# Altium PCB MS-002.29T003 执行台车LED灯环PCB图 V1.0.PcbDoc
Units mm, origin at the board's own origin, x right, y up, seen from the top; angles counter-clockwise.
Board outline 86.48 x 86.48 mm, 2 copper layers (Top Layer, Bottom Layer); 34 components, 19 nets, 76 pads, 24 vias.
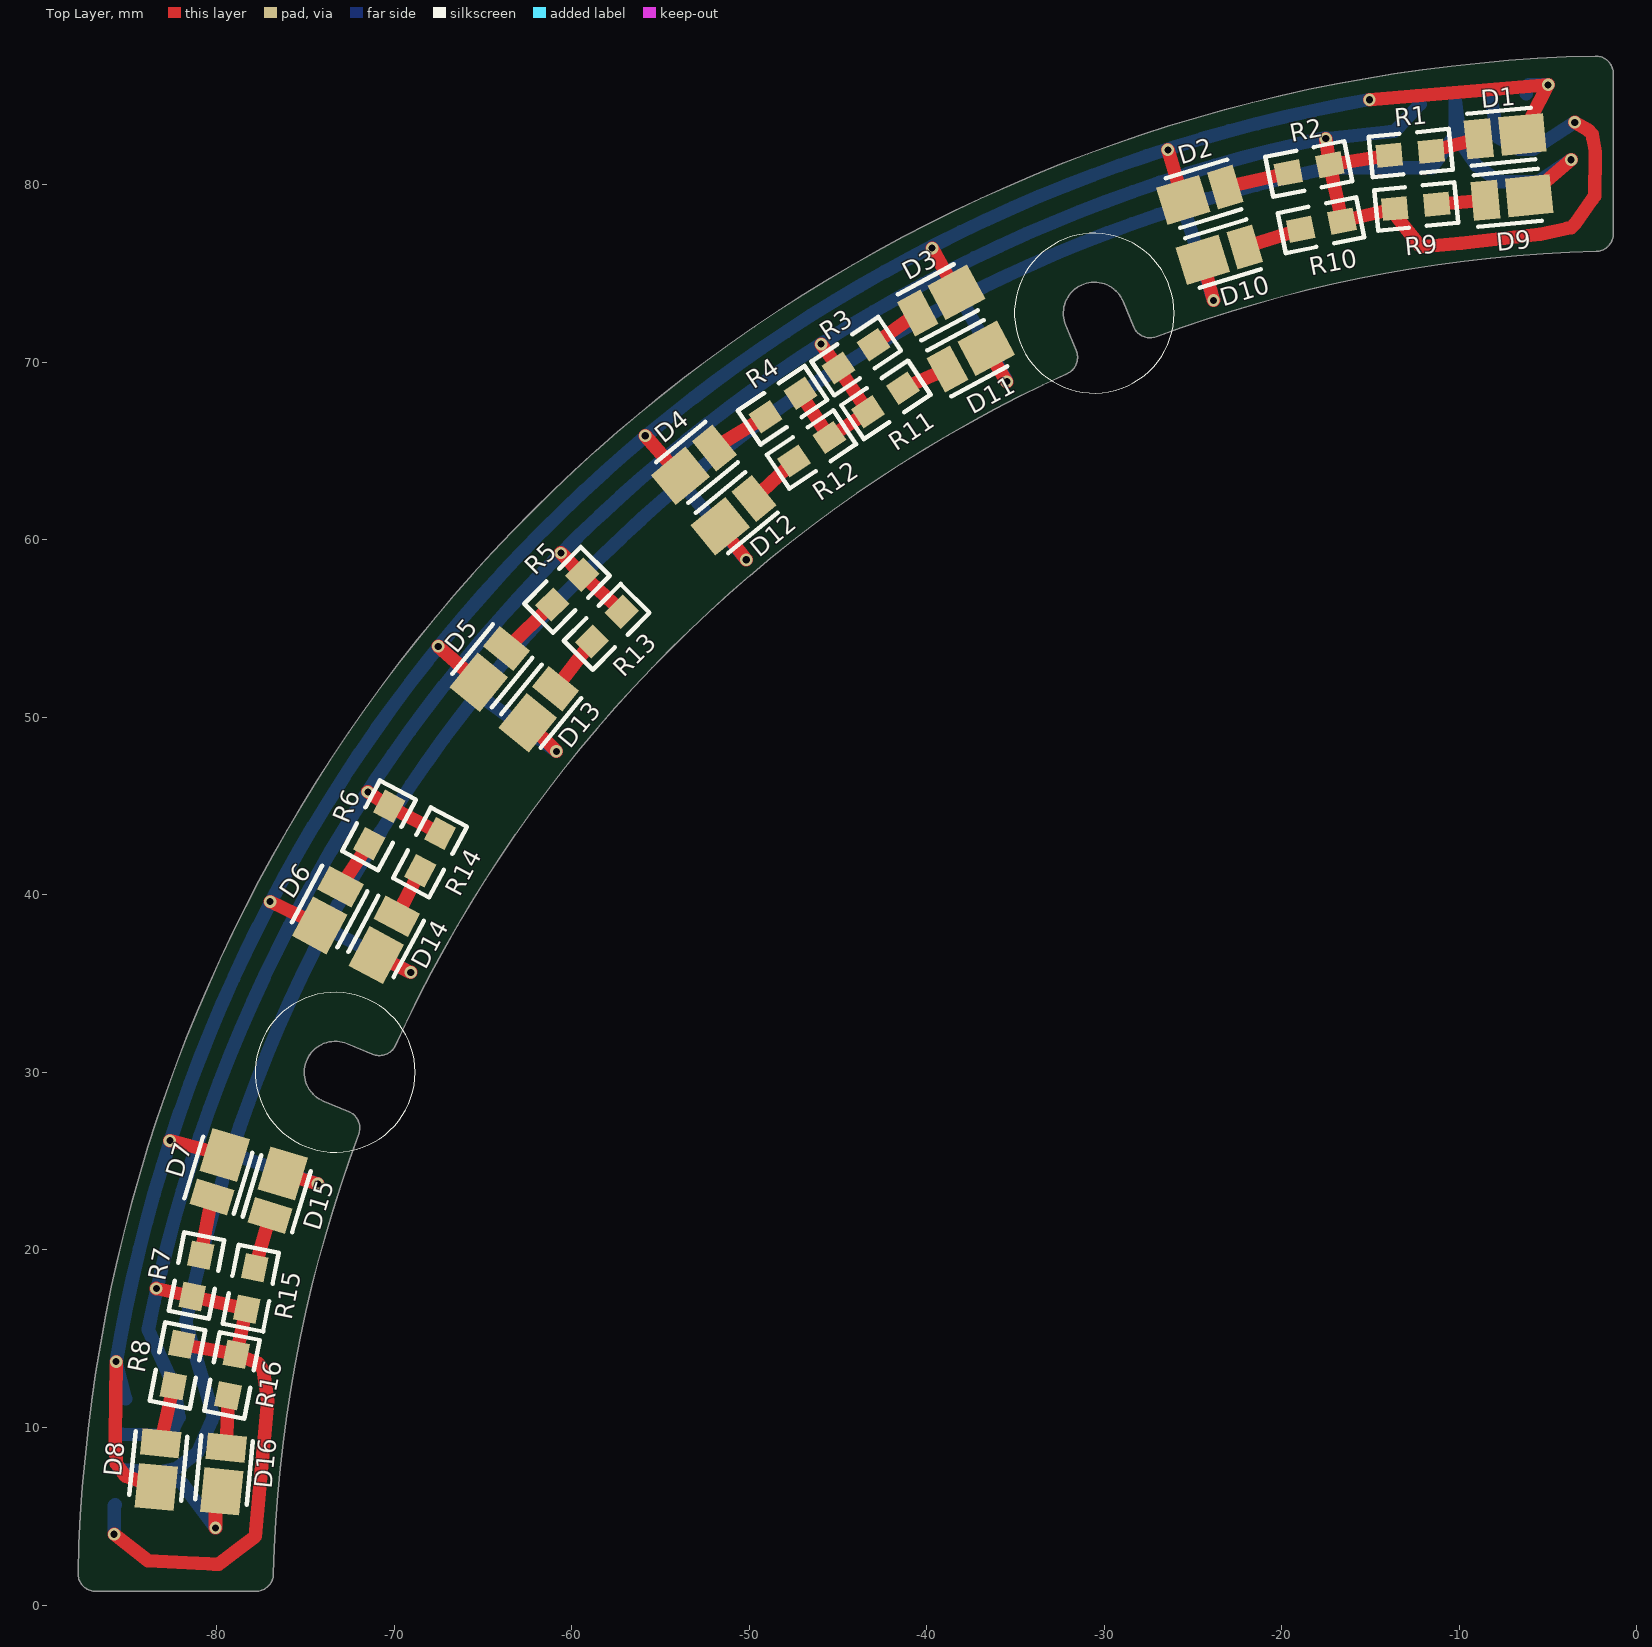
[diagram p0: Top Layer view]
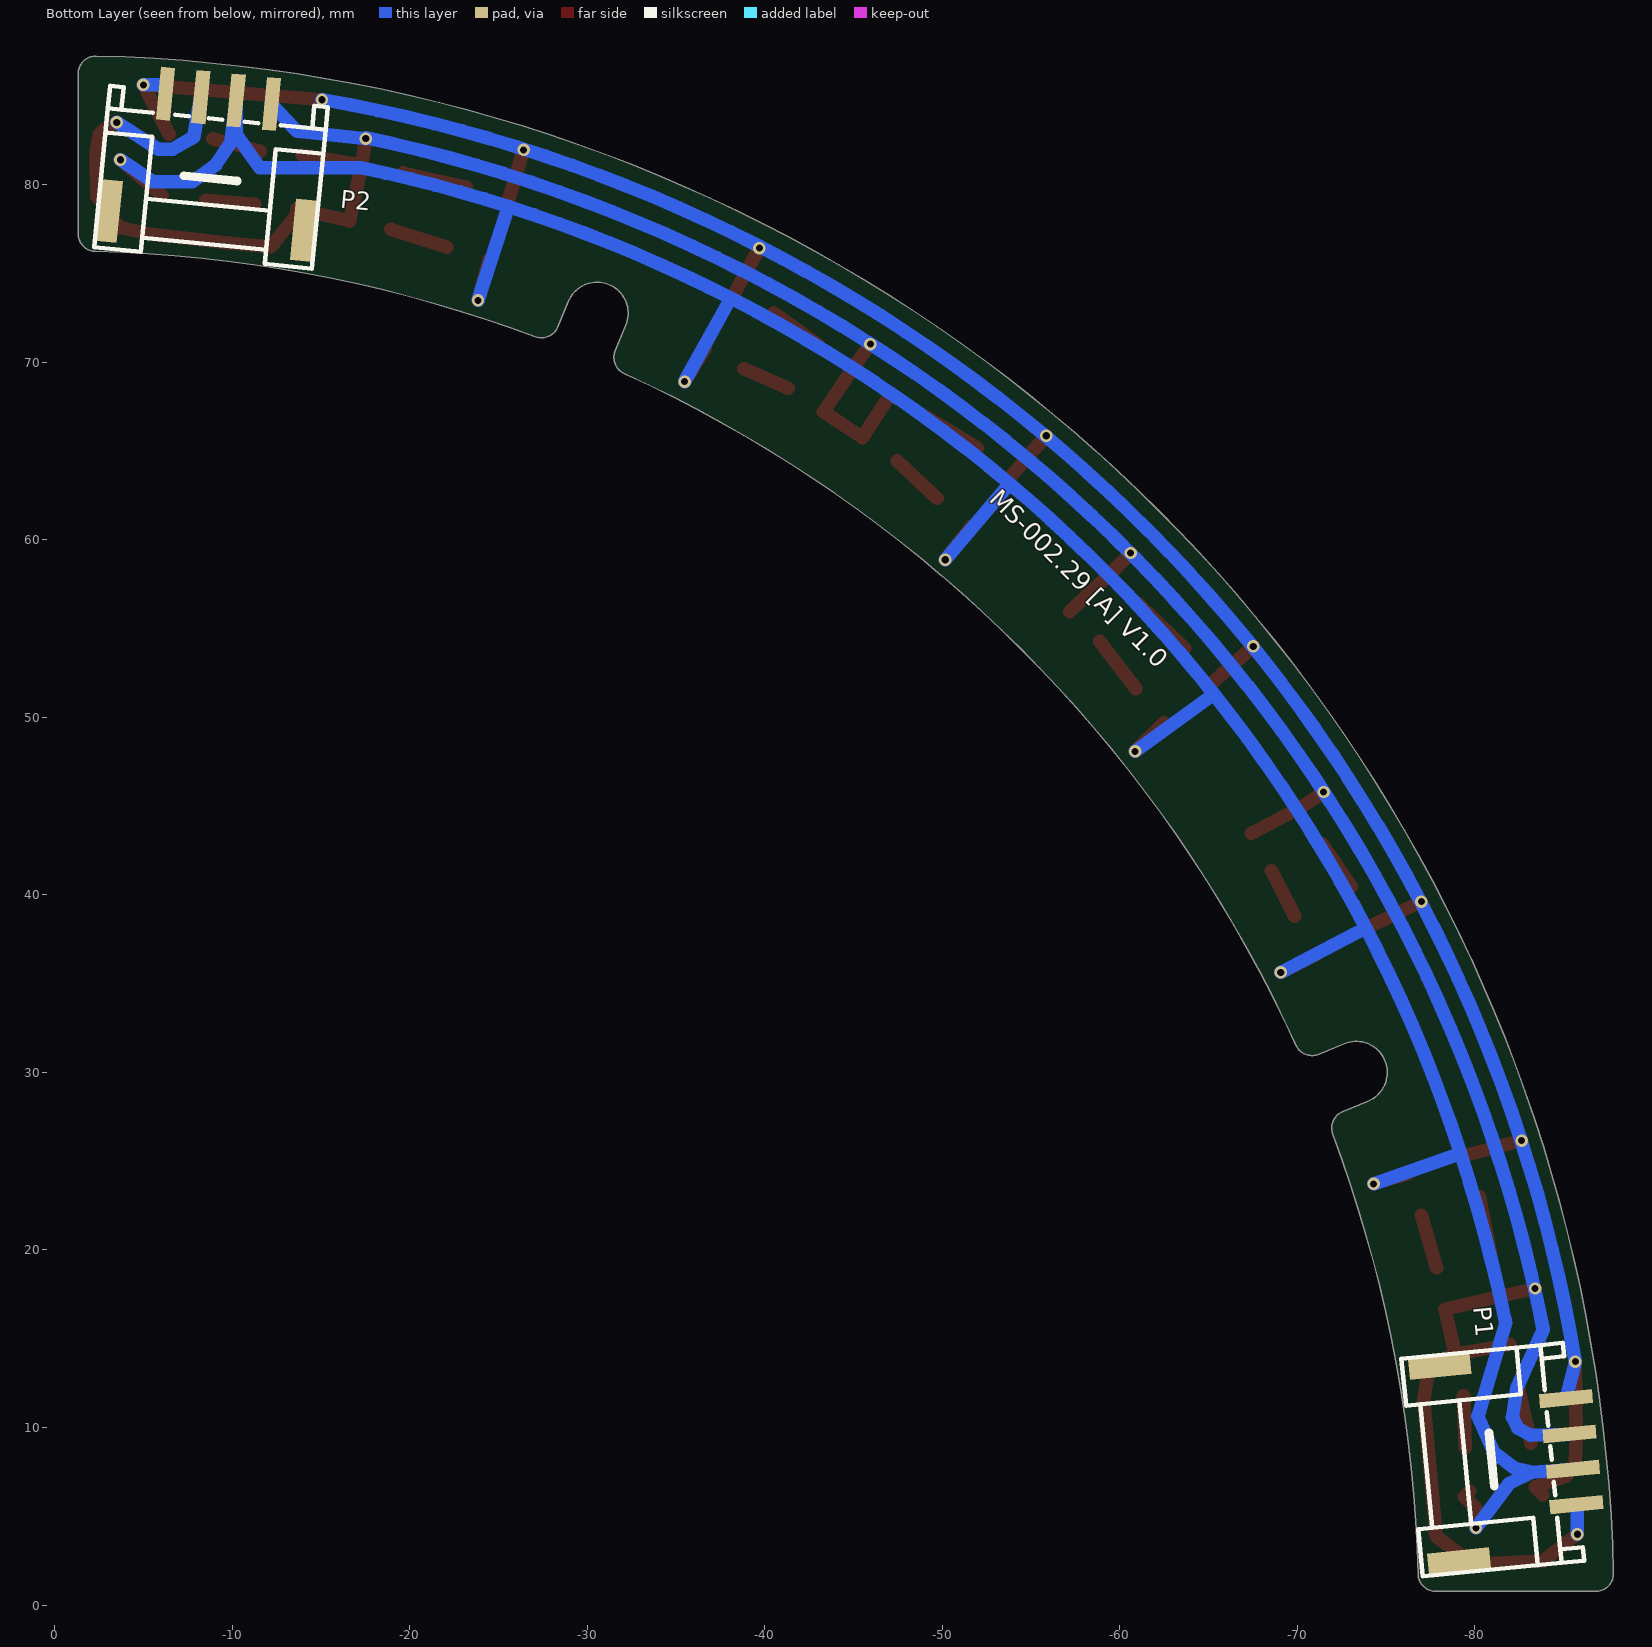
[diagram p1: Bottom Layer view, seen from below]
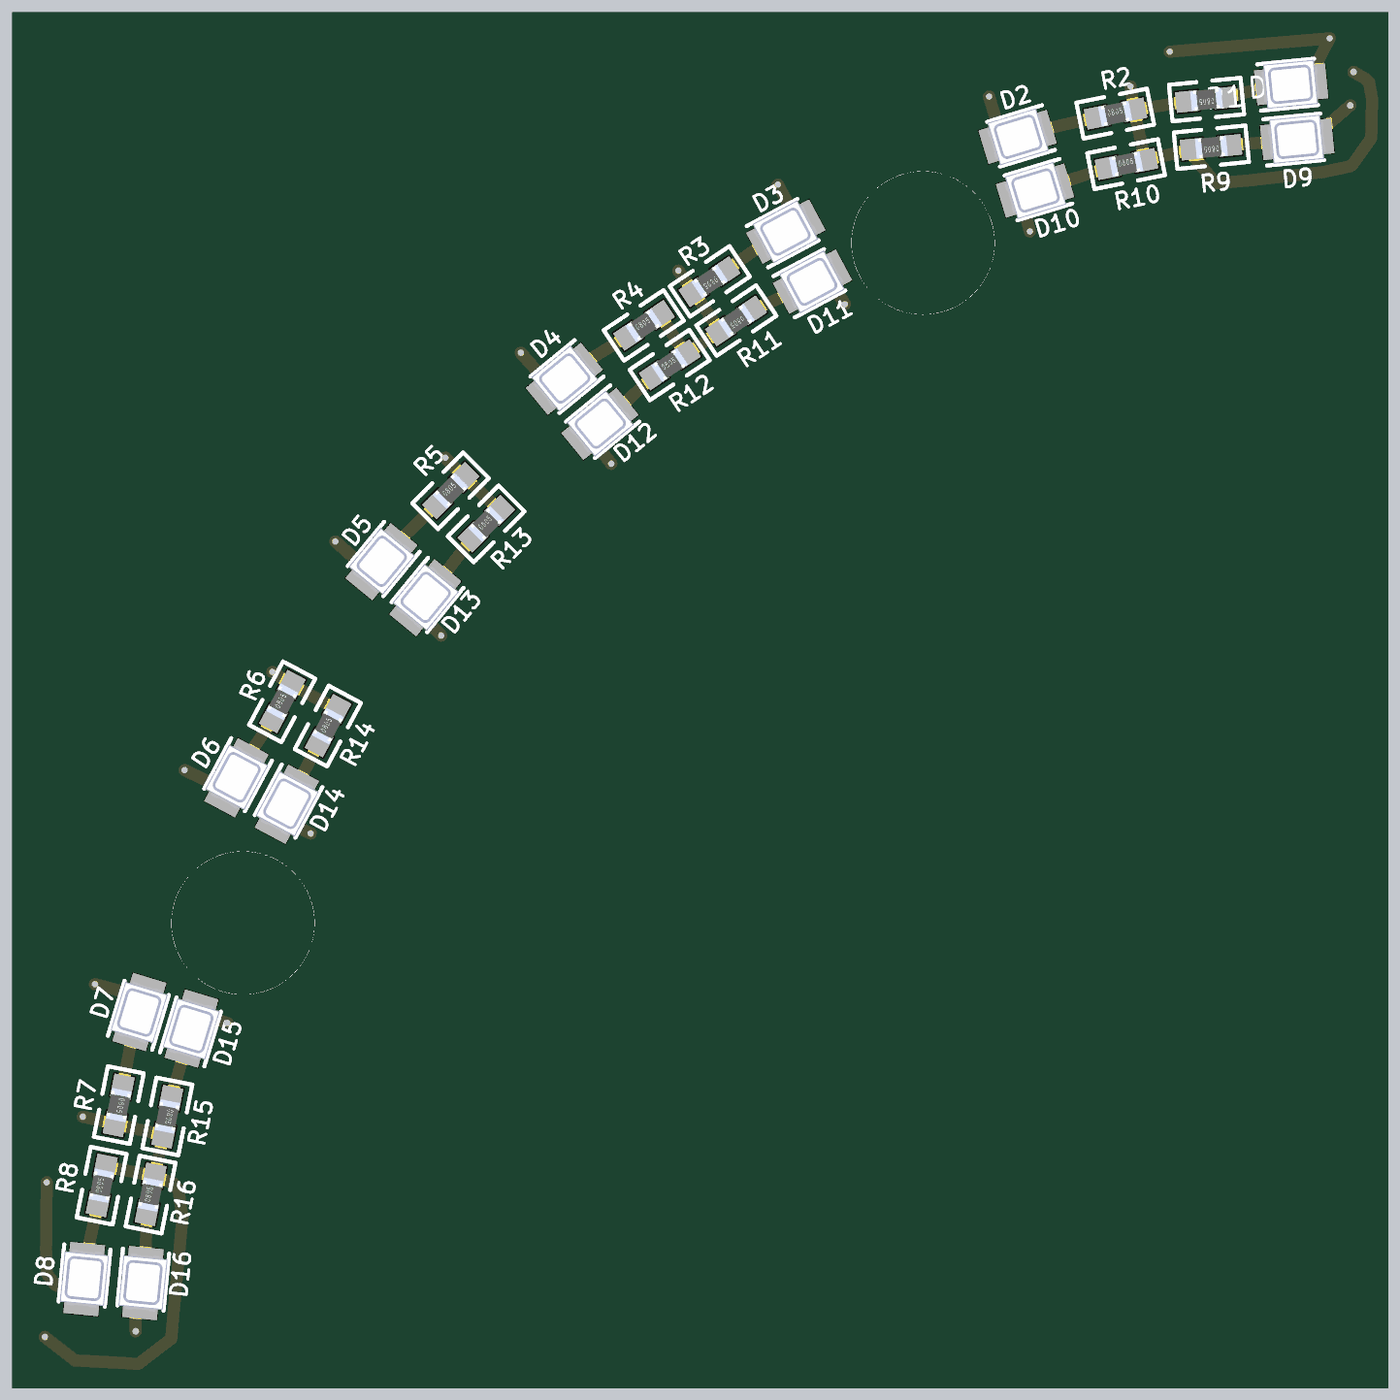
[diagram p2: 3D render of the assembled board from above, using the file's embedded part models]

## Layer stack, top to bottom
Top Solder: solder mask 0.0102, Solder Resist, Dk 3.5
Top Layer: signal copper 0.0356
Dielectric 1: dielectric 0.32, FR-4, Dk 4.8
Bottom Layer: signal copper 0.0356
Bottom Solder: solder mask 0.0102, Solder Resist, Dk 3.5

## Board outline
-86.803,0.77 -77.8,0.77 ccw(c-77.8,1.77) -76.801,1.744 cw(c-0.326,-0.23) -71.997,26.519 ccw(c-72.934,26.868) -72.551,27.792 -73.982,28.385 cw(c-73.313,30.002) -72.643,31.619 -71.212,31.026 ccw(c-70.829,31.95) -69.92,31.534 cw(c-0.326,-0.23) -32.091,69.363 ccw(c-32.506,70.273) -31.582,70.656 -32.175,72.087 cw(c-30.558,72.756) -28.941,73.426 -28.349,71.995 ccw(c-27.425,72.378) -27.075,71.441 cw(c-0.326,-0.23) -2.3,76.244 ccw(c-2.326,77.244) -1.326,77.244 -1.326,86.247 ccw(c-2.326,86.247) -2.349,87.246 ccw(c-0.326,-0.23) -87.803,1.793 ccw(c-86.803,1.77)

## Design rules (kind name [scope] priority, off if disabled: settings)
Clearance [All] p1: gap=0.254 ignorepadtopadclearanceinfootprint=FALSE except(0: Arc-Hole Track-Hole SMDPad-Hole THPad-Hole Via-Hole Fill-Hole Poly-Hole Region-Hole Text-Hole)
PolygonConnect [All] p1: connectstyle=Relief reliefconductorwidth=0.254 reliefentries=4 polygonreliefangle="90 Angle" airgapwidth=0.254
RoomDefinition MS-002.29T002 [InComponentClass('MS-002.29T002')] p1: confinementstyle=ConfineOut formatcopy=TRUE lockcomponents=FALSE outline 5.957,5.418 -21.5,5.418 -21.5,-3.193 5.957,-3.193
RoutingVias [All] p1: holewidth=0.711 width=1.27 viastyle="Through Hole" minholewidth=0.711 minwidth=1.27 maxholewidth=0.711 maxwidth=1.27
SilkToSilkClearance [All] p1: silktosilkclearance=0.051
SilkToSolderMaskClearance [IsPad] p1: minsilkscreentomaskgap=0 clearancetoexposedcopper=TRUE
SolderMaskExpansion [All] p1: expansion=0.102 istentingtop=FALSE
Width [All] p1: maxlimit=0.762 minlimit=0.508 preferedwidth=0.762
28 further rules are at their usual default settings.

## Components (designator, comment, footprint, x,y, rotation, side; value= is the part's Value field where it differs from the comment)
D1 "XL-2835UYC-02" LED_2835 -8.91,82.587 r5.62 top
D2 "XL-2835UYC-02" LED_2835 -23.193,79.86 r196.88 top
D3 "XL-2835UYC-02" LED_2835 -40.507,72.775 r28.12 top
D4 "XL-2835UYC-02" LED_2835 -51.964,65.169 r219.38 top
D5 "XL-2835UYC-02" LED_2835 -63.667,53.878 r230.62 top
D6 "XL-2835UYC-02" LED_2835 -73.029,40.456 r241.88 top
D7 "XL-2835UYC-02" LED_2835 -80.264,22.987 r73.12 top
D8 "XL-2835UYC-02" LED_2835 -83.154,9.108 r264.38 top
D9 "XL-2835BGWC-02" LED_2835 -8.529,79.133 r5.62 top
D10 "XL-2835BGWC-02" LED_2835 -22.097,76.485 r196.88 top
D11 "XL-2835BGWC-02" LED_2835 -38.831,69.625 r28.12 top
D12 "XL-2835BGWC-02" LED_2835 -49.727,62.331 r219.38 top
D13 "XL-2835BGWC-02" LED_2835 -60.909,51.613 r230.62 top
D14 "XL-2835BGWC-02" LED_2835 -69.854,38.79 r241.88 top
D15 "XL-2835BGWC-02" LED_2835 -76.987,21.946 r73.12 top
D16 "XL-2835BGWC-02" LED_2835 -79.463,8.859 r264.38 top
P1 "PHB-4" "PHB-4Y - duplicate" -85.717,5.653 r84.38 bottom
P2 "PHB-4" "PHB-4Y - duplicate" -12.219,84.544 r5.62 bottom
R1 "130Ω/0805" 0805_R -11.582,81.89 r185.62 top
R2 "130Ω/0805" 0805_R -19.631,80.663 r11.25 top
R3 "130Ω/0805" 0805_R -43.002,70.993 r213.75 top
R4 "130Ω/0805" 0805_R -49.095,66.928 r33.75 top
R5 "130Ω/0805" 0805_R -61.093,56.357 r45 top
R6 "130Ω/0805" 0805_R -71.403,42.885 r61.88 top
R7 "130Ω/0805" 0805_R -80.899,19.71 r258.75 top
R8 "130Ω/0805" 0805_R -82.43,12.348 r78.75 top
R9 "130Ω/0805" 0805_R -11.278,78.892 r185.62 top
R10 "130Ω/0805" 0805_R -18.945,77.488 r11.25 top
R11 "130Ω/0805" 0805_R -41.329,68.53 r213.75 top
R12 "130Ω/0805" 0805_R -47.469,64.439 r33.75 top
R13 "130Ω/0805" 0805_R -58.858,54.274 r45 top
R14 "130Ω/0805" 0805_R -68.533,41.361 r61.88 top
R15 "130Ω/0805" 0805_R -77.844,18.996 r258.75 top
R16 "130Ω/0805" 0805_R -79.357,11.789 r78.75 top

## Footprints (in the part's own frame and the unit in brackets; to place one, negate y for a bottom-side part, rotate by r counter-clockwise, add the part's x,y. Pads: shape width x height; smd on the part's side, far side on the other; paste and mask are expansions set on the pad)
0805_R [mm]
  rect 1.45x1.3 smd: 1(0,0) 2(2.379,0)
  silkscreen extent -1.09,-1.15 3.43,1.15, body extent 0.17,-0.62 2.17,0.63, height 0.53
LED_2835 [mm]
  rect 1.501x2.2 smd mask+0.05: 1(0,0)
  rect 2.53x2.2 smd mask+0.05: 2(2.47,0)
  silkscreen extent -0.55,-1.46 3.09,1.46, body extent -0.29,-1.4 3.21,1.4, height 0.8
"PHB-4Y - duplicate" [mm]
  rect 1.2x3.5 smd: 0(-2.5,6.9) 0(8.51,6.9)
  rect 0.8x3 smd: 1(0,0) 2(2,0) 3(4,0) 4(6,0)
  silkscreen extent -3.18,-0.13 9.14,9, body extent -2.98,0.49 8.91,8.79, height 5.55

## Part data
D1 D2 D3 D4 D5 D6 D7 D8 D9 D10 D11 D12 D13 D14 D15 D16: library part LED3, "Typical BLUE SiC LED", DatasheetVersion=16-Apr-2002, LatestRevisionDate=17-Dec-2003, LatestRevisionNote="PCB Footprint replaced.", PackageDescription="SM LED; 2 C-Bend Leads; Body 3.5 x 2.8 x 1.9 mm, inc leads (LxWxH typ)", PackageReference=3.5X2.8X1.9, PackageVersion=16-Apr-2002, Published=8-Jun-2000, Publisher="Altium Limited"
P1 P2: library part HEADER4
R1 R2 R3 R4 R5 R6 R7 R8 R9 R10 R11 R12 R13 R14 R15 R16: library part "0805 13KΩ (1302) 1%", "贴片电阻", PACKAGE=0805, SuppliersPartNumber=C17455, ComponentLink1Description=供应商链接, ComponentLink1URL=http://www.szlcsc.com/product/details_18143.html, Supplier=LC

## Via types
v1: diameter 0.7, hole 0.4, Top Layer to Bottom Layer, tented both sides, 24 vias

## Nets (pads, with @x,y where several pads share a name; then routed paths per layer and width w, separated by ;. In a path a pad name is that pad's centre, name@x,y a point inside that pad or via, vN(x,y) a via of type N, cw(c..) or ccw(c..) an arc to the next point about the centre after c; other vN are vias at no path point)
NetD1_1: D1.1 R1.1 | length 2.8
  Top Layer w0.762: R1.1 D1.1
NetD1_2: D1.2 D2.2 D3.2 D4.2 D5.2 D6.2 D7.2 D8.2 P1.4 P2.4 | length 151
  Top Layer w0.762: v1(-85.656,13.708) -85.699,9.484 -85.651,7.968 -85.125,7.262 D8.2 D8.2@-83.82,6.226 ; v1(-82.626,26.162) D7.2 ; v1(-76.987,39.624) D6.2 ; v1(-67.513,54) D5.2 ; v1(-55.855,65.862) D4.2 ; v1(-39.7,76.429) D3.2 ; v1(-26.416,81.966) D2.2 ; v1(-15.062,84.785) -12.388,85.008 v1(-5.004,85.623) D1.2
  Bottom Layer w0.762: P1.4 v1(-85.656,13.708) cw(c-0.103,-0.656) v1@-15.064,84.795 ; P2.4 -6.248,85.459 -6.083,85.623 v1(-5.004,85.623)
NetD2_1: D2.1 R2.1 | length 3.7
  Top Layer w0.762: D2.1 R2.1
NetD3_1: D3.1 R3.1 | length 3.1
  Top Layer w0.762: R3.1 D3.1
NetD4_1: D4.1 R4.1 | length 3.4
  Top Layer w0.762: D4.1 R4.1
NetD5_1: D5.1 R5.1 | length 3.6
  Top Layer w0.762: D5.1 R5.1
NetD6_1: D6.1 R6.1 | length 2.9
  Top Layer w0.762: D6.1 R6.1
NetD7_1: D7.1 R7.1 | length 3.3
  Top Layer w0.762: R7.1 D7.1
NetD8_1: D8.1 R8.1 | length 3.3
  Top Layer w0.762: D8.1 R8.1
NetD9_1: D9.1 R9.1 | length 2.8
  Top Layer w0.762: R9.1 D9.1
NetD9_2: D9.2 D10.2 D11.2 D12.2 D13.2 D14.2 D15.2 D16.2 P1.2 P2.2 | length 185.7
  Top Layer w0.762: v1(-80.061,4.343) -80.061,5.436 -79.4,6.096 D16.2 ; D15.2 v1(-74.295,23.724) ; D14.2 v1(-69.063,35.636) ; D13.2 -60.858,48.086 v1(-60.858,48.082) ; D12.2 v1(-50.165,58.877) ; D11.2 v1(-35.484,68.91) ; D10.2 v1(-23.851,73.482) ; D9.2 v1(-3.708,81.407)
  Bottom Layer w0.762: P1.2 -83.224,7.493 ; v1(-80.061,4.343) -81.915,6.84 -83.224,7.493 ; v1(-74.295,23.724) -79.192,25.441 ; v1(-69.063,35.636) -73.861,38.123 ; v1(-60.858,48.082) -65.303,51.308 ; v1(-50.165,58.877) -53.795,63.167 ; v1(-35.484,68.91) -38.087,73.61 ; v1(-23.851,73.482) -25.564,78.774 ; v1(-3.708,81.407) -5.55,80.162 -7.747,80.162 -9.071,81.104 -9.915,82.35 P2.2 -10.231,82.817 -10.345,82.656 -11.551,80.961 -17.261,80.961 ccw(c-0.305,-0.254) -25.564,78.774 ; -83.224,7.493 -82.209,7.721 -81.063,8.611 -80.285,10.375 -80.172,10.631 -81.736,15.869 -81.697,16.059 cw(c6.358,-2.424) -79.192,25.441 ; -79.192,25.441 cw(c-0.305,-0.254) -73.861,38.123 ; -73.861,38.123 cw(c-0.305,-0.254) -65.303,51.308 ; -65.303,51.308 cw(c-0.305,-0.254) -53.795,63.167 ; -53.795,63.167 cw(c-0.305,-0.254) -38.087,73.61 ; -38.087,73.61 cw(c-0.305,-0.254) -25.564,78.774
NetD10_1: D10.1 R10.1 | length 3.3
  Top Layer w0.762: D10.1 R10.1
NetD11_1: D11.1 R11.1 | length 2.7
  Top Layer w0.762: R11.1 D11.1
NetD12_1: D12.1 R12.1 | length 3.1
  Top Layer w0.762: D12.1 R12.1
NetD13_1: D13.1 R13.1 | length 3.4
  Top Layer w0.762: D13.1 R13.1
NetD14_1: D14.1 R14.1 | length 2.9
  Top Layer w0.762: D14.1 R14.1
NetD15_1: D15.1 R15.1 | length 3.1
  Top Layer w0.762: R15.1 D15.1
NetD16_1: D16.1 R16.1 | length 2.9
  Top Layer w0.762: D16.1 R16.1
VCC: P1.1 P1.3 P2.1 P2.3 R1.2 R2.2 R3.2 R4.2 R5.2 R6.2 R7.2 R8.2 R9.2 R10.2 R11.2 R12.2 R13.2 R14.2 R15.2 R16.2 | length 204.1
  Top Layer w0.762: v1(-85.776,3.988) -83.878,2.509 -81.096,2.366 -80.479,2.325 -80.168,2.304 -79.885,2.304 -79.681,2.459 -78.95,3.015 -77.833,3.864 -77.775,4.495 -77.123,11.489 -77.37,13.237 -77.666,13.631 R16.2 ; v1(-83.388,17.831) R7.2 R15.2 R16.2 ; R8.2 R16.2 ; v1(-71.476,45.796) R6.2 R14.2 ; v1(-60.604,59.258) R5.2 R13.2 ; R4.2 R12.2 R11.2 R3.2 v1(-45.949,71.018) ; v1(-17.526,82.601) R2.2 ; R1.2 R2.2 ; v1(-3.505,83.515) -2.76,83.084 -2.52,82.844 -2.478,82.608 -2.338,81.821 -2.338,81.746 -2.338,81.738 -2.388,79.35 -2.523,79.158 -3.497,77.788 -3.702,77.582 -3.924,77.535 -5.436,77.216 -5.472,77.212 -9.906,76.708 -9.916,76.707 -11.782,76.545 -12.187,76.51 -13.677,78.36 R9.2 R10.2 R2.2
  Bottom Layer w0.762: v1(-85.776,3.988) -85.776,5.595 P1.1 ; P1.3 -83.132,9.562 -82.425,9.957 -82.116,10.578 -82.367,12.216 -83.851,15.506 cw(c0.076,-1.067) v1@-17.536,82.649 ; v1(-17.526,82.601) -13.925,82.977 -13.657,83.005 -13.455,83.207 P2.1 ; P2.3 -8.074,84.008 -7.839,82.681 -6.655,81.991 -5.842,81.991 v1(-3.505,83.515)
pads on no net: P1.0 P2.0

## Silkscreen, mask and mechanical layers (free items; w line width, h text height)
Top Overlay:
  circle w0.013: c-30.563,72.764 r4.5
  circle w0.013: c-73.317,30.01 r4.5
Bottom Overlay:
  text "MS-002.29 [A] V1.0" at -52.578,62.23 h1.02 r45
Mechanical 1:
  lines w0.013: -87.803,1.793 ccw(c-86.803,1.77) -86.803,0.77 -81.82,0.77 -77.8,0.77 ccw(c-77.8,1.77) -76.801,1.744 cw(c-0.326,-0.23) -71.997,26.519 ccw(c-72.934,26.868) -72.551,27.792 -73.982,28.385 cw(c-73.313,30.002) -72.643,31.619 -71.212,31.026 ccw(c-70.829,31.95) -69.92,31.534 cw(c-0.326,-0.23) -32.091,69.363 ccw(c-32.506,70.273) -31.582,70.656 -32.175,72.087 cw(c-30.558,72.756) -28.941,73.426 -28.349,71.995 ccw(c-27.425,72.378) -27.075,71.441 cw(c-0.326,-0.23) -2.3,76.244 ccw(c-2.326,77.244) -1.326,77.244 -1.326,81.264 -1.326,86.247 ccw(c-2.326,86.247) -2.349,87.246 ccw(c-0.326,-0.23) -87.803,1.793